# Altium PCB PCB.PcbDoc (part 1 of 11) (continued)
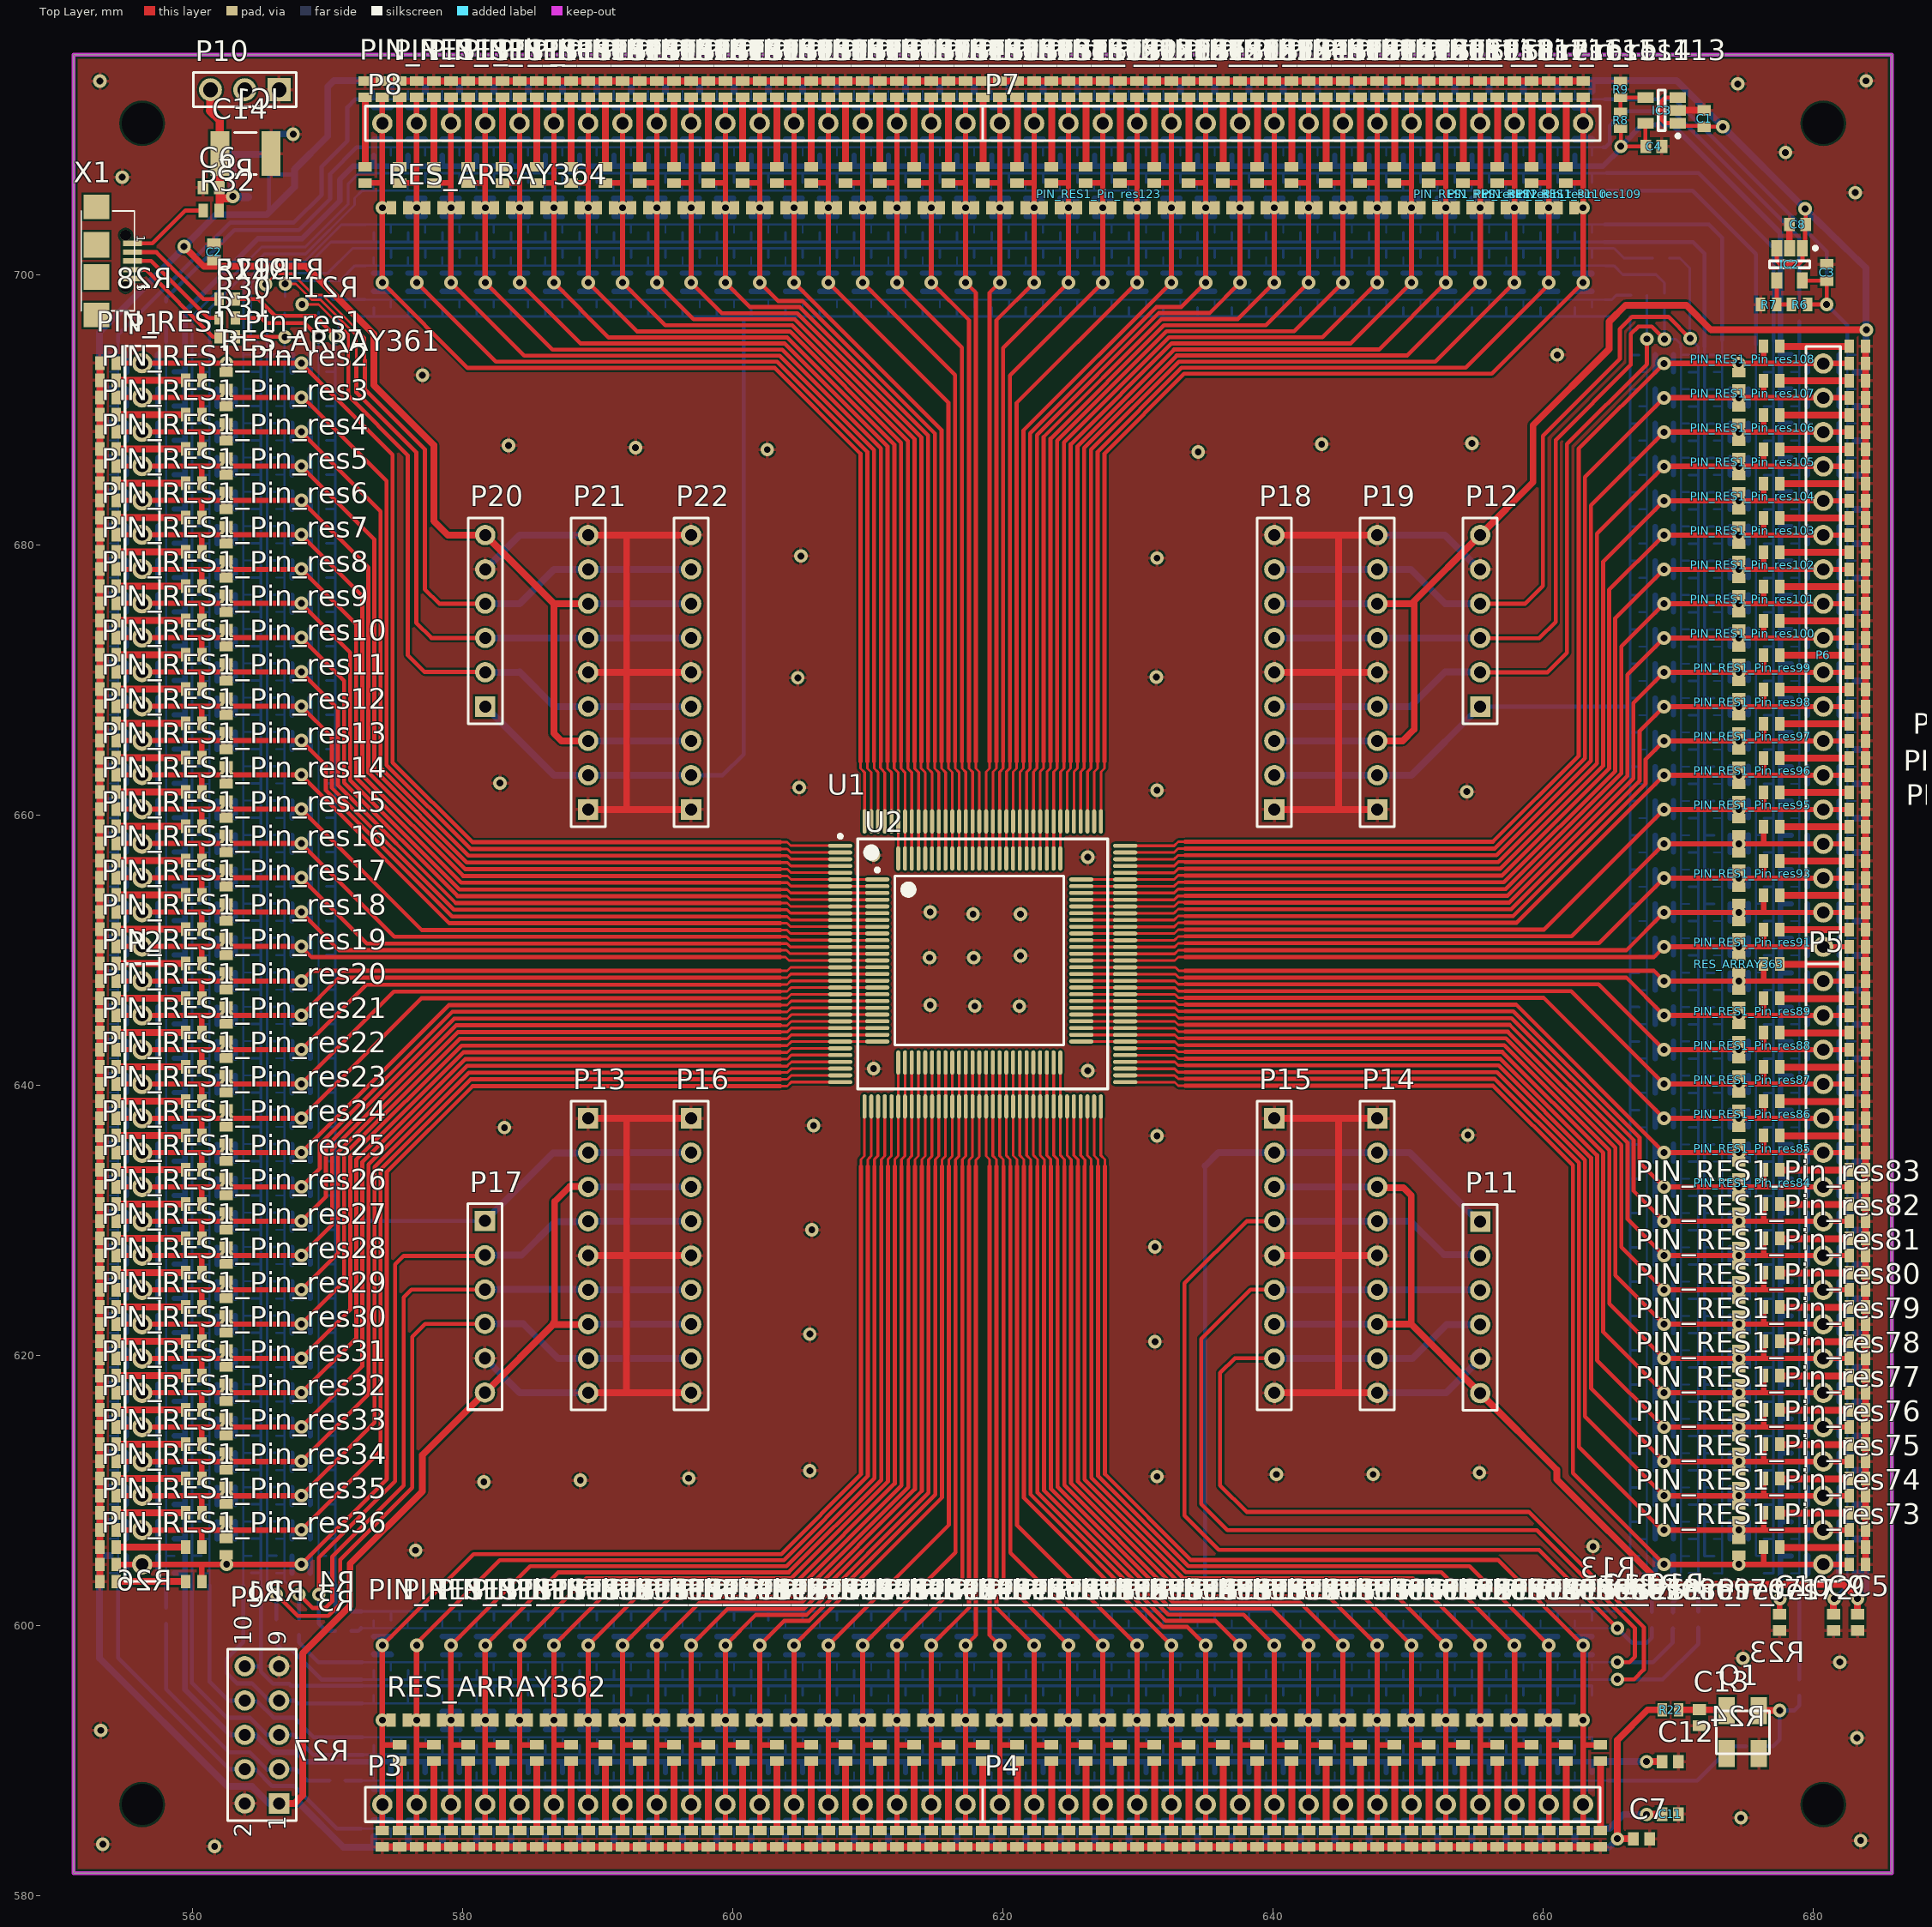
[diagram p0: Top Layer view]
## Design rules (kind name [scope] priority, off if disabled: settings) (continued)
RoomDefinition Pin_res52 [InComponentClass('Pin_res52')] p97: confinementstyle=ConfineIn formatcopy=TRUE lockcomponents=FALSE outline 0,0 50.8,0 50.8,25.4 0,25.4
RoomDefinition Pin_res51 [InComponentClass('Pin_res51')] p98: confinementstyle=ConfineIn formatcopy=TRUE lockcomponents=FALSE outline 0,0 50.8,0 50.8,25.4 0,25.4
RoomDefinition Pin_res50 [InComponentClass('Pin_res50')] p99: confinementstyle=ConfineIn formatcopy=TRUE lockcomponents=FALSE outline 0,0 50.8,0 50.8,25.4 0,25.4
RoomDefinition Pin_res49 [InComponentClass('Pin_res49')] p100: confinementstyle=ConfineIn formatcopy=TRUE lockcomponents=FALSE outline 0,0 50.8,0 50.8,25.4 0,25.4
RoomDefinition Pin_res48 [InComponentClass('Pin_res48')] p101: confinementstyle=ConfineIn formatcopy=TRUE lockcomponents=FALSE outline 0,0 50.8,0 50.8,25.4 0,25.4
RoomDefinition Pin_res47 [InComponentClass('Pin_res47')] p102: confinementstyle=ConfineIn formatcopy=TRUE lockcomponents=FALSE outline 0,0 50.8,0 50.8,25.4 0,25.4
RoomDefinition Pin_res46 [InComponentClass('Pin_res46')] p103: confinementstyle=ConfineIn formatcopy=TRUE lockcomponents=FALSE outline 0,0 50.8,0 50.8,25.4 0,25.4
RoomDefinition Pin_res45 [InComponentClass('Pin_res45')] p104: confinementstyle=ConfineIn formatcopy=TRUE lockcomponents=FALSE outline 0,0 50.8,0 50.8,25.4 0,25.4
RoomDefinition Pin_res44 [InComponentClass('Pin_res44')] p105: confinementstyle=ConfineIn formatcopy=TRUE lockcomponents=FALSE outline 0,0 50.8,0 50.8,25.4 0,25.4
RoomDefinition Pin_res43 [InComponentClass('Pin_res43')] p106: confinementstyle=ConfineIn formatcopy=TRUE lockcomponents=FALSE outline 0,0 50.8,0 50.8,25.4 0,25.4
RoomDefinition Pin_res42 [InComponentClass('Pin_res42')] p107: confinementstyle=ConfineIn formatcopy=TRUE lockcomponents=FALSE outline 0,0 50.8,0 50.8,25.4 0,25.4
RoomDefinition Pin_res41 [InComponentClass('Pin_res41')] p108: confinementstyle=ConfineIn formatcopy=TRUE lockcomponents=FALSE outline 0,0 50.8,0 50.8,25.4 0,25.4
RoomDefinition Pin_res40 [InComponentClass('Pin_res40')] p109: confinementstyle=ConfineIn formatcopy=TRUE lockcomponents=FALSE outline 0,0 50.8,0 50.8,25.4 0,25.4
RoomDefinition Pin_res39 [InComponentClass('Pin_res39')] p110: confinementstyle=ConfineIn formatcopy=TRUE lockcomponents=FALSE outline 0,0 50.8,0 50.8,25.4 0,25.4
RoomDefinition Pin_res38 [InComponentClass('Pin_res38')] p111: confinementstyle=ConfineIn formatcopy=TRUE lockcomponents=FALSE outline 0,0 50.8,0 50.8,25.4 0,25.4
RoomDefinition Pin_res37 [InComponentClass('Pin_res37')] p112: confinementstyle=ConfineIn formatcopy=TRUE lockcomponents=FALSE outline 0,0 50.8,0 50.8,25.4 0,25.4
RoomDefinition Pin_res36 [InComponentClass('Pin_res36')] p113: confinementstyle=ConfineIn formatcopy=TRUE lockcomponents=FALSE outline 0,0 50.8,0 50.8,25.4 0,25.4
RoomDefinition Pin_res35 [InComponentClass('Pin_res35')] p114: confinementstyle=ConfineIn formatcopy=TRUE lockcomponents=FALSE outline 0,0 50.8,0 50.8,25.4 0,25.4
RoomDefinition Pin_res34 [InComponentClass('Pin_res34')] p115: confinementstyle=ConfineIn formatcopy=TRUE lockcomponents=FALSE outline 0,0 50.8,0 50.8,25.4 0,25.4
RoomDefinition Pin_res33 [InComponentClass('Pin_res33')] p116: confinementstyle=ConfineIn formatcopy=TRUE lockcomponents=FALSE outline 0,0 50.8,0 50.8,25.4 0,25.4
RoomDefinition Pin_res32 [InComponentClass('Pin_res32')] p117: confinementstyle=ConfineIn formatcopy=TRUE lockcomponents=FALSE outline 0,0 50.8,0 50.8,25.4 0,25.4
RoomDefinition Pin_res31 [InComponentClass('Pin_res31')] p118: confinementstyle=ConfineIn formatcopy=TRUE lockcomponents=FALSE outline 0,0 50.8,0 50.8,25.4 0,25.4
RoomDefinition Pin_res30 [InComponentClass('Pin_res30')] p119: confinementstyle=ConfineIn formatcopy=TRUE lockcomponents=FALSE outline 0,0 50.8,0 50.8,25.4 0,25.4
RoomDefinition Pin_res29 [InComponentClass('Pin_res29')] p120: confinementstyle=ConfineIn formatcopy=TRUE lockcomponents=FALSE outline 0,0 50.8,0 50.8,25.4 0,25.4
RoomDefinition Pin_res28 [InComponentClass('Pin_res28')] p121: confinementstyle=ConfineIn formatcopy=TRUE lockcomponents=FALSE outline 0,0 50.8,0 50.8,25.4 0,25.4
RoomDefinition Pin_res27 [InComponentClass('Pin_res27')] p122: confinementstyle=ConfineIn formatcopy=TRUE lockcomponents=FALSE outline 0,0 50.8,0 50.8,25.4 0,25.4
RoomDefinition Pin_res26 [InComponentClass('Pin_res26')] p123: confinementstyle=ConfineIn formatcopy=TRUE lockcomponents=FALSE outline 0,0 50.8,0 50.8,25.4 0,25.4
RoomDefinition Pin_res25 [InComponentClass('Pin_res25')] p124: confinementstyle=ConfineIn formatcopy=TRUE lockcomponents=FALSE outline 0,0 50.8,0 50.8,25.4 0,25.4
RoomDefinition Pin_res24 [InComponentClass('Pin_res24')] p125: confinementstyle=ConfineIn formatcopy=TRUE lockcomponents=FALSE outline 0,0 50.8,0 50.8,25.4 0,25.4
RoomDefinition Pin_res23 [InComponentClass('Pin_res23')] p126: confinementstyle=ConfineIn formatcopy=TRUE lockcomponents=FALSE outline 0,0 50.8,0 50.8,25.4 0,25.4
RoomDefinition Pin_res22 [InComponentClass('Pin_res22')] p127: confinementstyle=ConfineIn formatcopy=TRUE lockcomponents=FALSE outline 0,0 50.8,0 50.8,25.4 0,25.4
RoomDefinition Pin_res21 [InComponentClass('Pin_res21')] p128: confinementstyle=ConfineIn formatcopy=TRUE lockcomponents=FALSE outline 0,0 50.8,0 50.8,25.4 0,25.4
RoomDefinition Pin_res20 [InComponentClass('Pin_res20')] p129: confinementstyle=ConfineIn formatcopy=TRUE lockcomponents=FALSE outline 0,0 50.8,0 50.8,25.4 0,25.4
RoomDefinition Pin_res19 [InComponentClass('Pin_res19')] p130: confinementstyle=ConfineIn formatcopy=TRUE lockcomponents=FALSE outline 0,0 50.8,0 50.8,25.4 0,25.4
RoomDefinition Pin_res18 [InComponentClass('Pin_res18')] p131: confinementstyle=ConfineIn formatcopy=TRUE lockcomponents=FALSE outline 0,0 50.8,0 50.8,25.4 0,25.4
RoomDefinition Pin_res17 [InComponentClass('Pin_res17')] p132: confinementstyle=ConfineIn formatcopy=TRUE lockcomponents=FALSE outline 0,0 50.8,0 50.8,25.4 0,25.4
RoomDefinition Pin_res16 [InComponentClass('Pin_res16')] p133: confinementstyle=ConfineIn formatcopy=TRUE lockcomponents=FALSE outline 0,0 50.8,0 50.8,25.4 0,25.4
RoomDefinition Pin_res15 [InComponentClass('Pin_res15')] p134: confinementstyle=ConfineIn formatcopy=TRUE lockcomponents=FALSE outline 0,0 50.8,0 50.8,25.4 0,25.4
RoomDefinition Pin_res14 [InComponentClass('Pin_res14')] p135: confinementstyle=ConfineIn formatcopy=TRUE lockcomponents=FALSE outline 0,0 50.8,0 50.8,25.4 0,25.4
RoomDefinition Pin_res13 [InComponentClass('Pin_res13')] p136: confinementstyle=ConfineIn formatcopy=TRUE lockcomponents=FALSE outline 0,0 50.8,0 50.8,25.4 0,25.4
RoomDefinition Pin_res12 [InComponentClass('Pin_res12')] p137: confinementstyle=ConfineIn formatcopy=TRUE lockcomponents=FALSE outline 0,0 50.8,0 50.8,25.4 0,25.4
RoomDefinition Pin_res11 [InComponentClass('Pin_res11')] p138: confinementstyle=ConfineIn formatcopy=TRUE lockcomponents=FALSE outline 0,0 50.8,0 50.8,25.4 0,25.4
RoomDefinition Pin_res10 [InComponentClass('Pin_res10')] p139: confinementstyle=ConfineIn formatcopy=TRUE lockcomponents=FALSE outline 0,0 50.8,0 50.8,25.4 0,25.4
RoomDefinition Pin_res9 [InComponentClass('Pin_res9')] p140: confinementstyle=ConfineIn formatcopy=TRUE lockcomponents=FALSE outline 0,0 50.8,0 50.8,25.4 0,25.4
RoomDefinition Pin_res8 [InComponentClass('Pin_res8')] p141: confinementstyle=ConfineIn formatcopy=TRUE lockcomponents=FALSE outline 0,0 50.8,0 50.8,25.4 0,25.4
RoomDefinition Pin_res7 [InComponentClass('Pin_res7')] p142: confinementstyle=ConfineIn formatcopy=TRUE lockcomponents=FALSE outline 0,0 50.8,0 50.8,25.4 0,25.4
RoomDefinition Pin_res6 [InComponentClass('Pin_res6')] p143: confinementstyle=ConfineIn formatcopy=TRUE lockcomponents=FALSE outline 0,0 50.8,0 50.8,25.4 0,25.4
RoomDefinition Pin_res5 [InComponentClass('Pin_res5')] p144: confinementstyle=ConfineIn formatcopy=TRUE lockcomponents=FALSE outline 0,0 50.8,0 50.8,25.4 0,25.4
RoomDefinition Pin_res4 [InComponentClass('Pin_res4')] p145: confinementstyle=ConfineIn formatcopy=TRUE lockcomponents=FALSE outline 0,0 50.8,0 50.8,25.4 0,25.4
RoomDefinition Pin_res3 [InComponentClass('Pin_res3')] p146: confinementstyle=ConfineIn formatcopy=TRUE lockcomponents=FALSE outline 0,0 50.8,0 50.8,25.4 0,25.4
RoomDefinition Pin_res2 [InComponentClass('Pin_res2')] p147: confinementstyle=ConfineIn formatcopy=TRUE lockcomponents=FALSE outline 0,0 50.8,0 50.8,25.4 0,25.4
RoomDefinition Pin_res1 [InComponentClass('Pin_res1')] p148: confinementstyle=ConfineIn formatcopy=TRUE lockcomponents=FALSE outline 0,0 50.8,0 50.8,25.4 0,25.4
RoutingVias [All] p1: holewidth=0.3 width=1 viastyle="Through Hole" minholewidth=0.3 minwidth=0.6 maxholewidth=0.711 maxwidth=1.27
SilkscreenOverComponentPads [All] p1: minsilkscreentomaskgap=0.254
SolderMaskExpansion [All] p1: expansion=0.102
Width [All] p1: maxlimit=1 minlimit=0.15 preferedwidth=0.2
26 further rules are at their usual default settings.

## Classes and differential pairs
component class U_fpga100: U2
component class U_connectors: P9 P11 P12 P13 P14 P15 P16 P17 P18 P19 P20 P21 P22 RES_ARRAY361 RES_ARRAY362 RES_ARRAY363 RES_ARRAY364
component class Pin_res144: PIN_RES1_Pin_res144
component class Pin_res143: PIN_RES1_Pin_res143
component class Pin_res142: PIN_RES1_Pin_res142
component class Pin_res141: PIN_RES1_Pin_res141
component class Pin_res140: PIN_RES1_Pin_res140
component class Pin_res139: PIN_RES1_Pin_res139
component class Pin_res138: PIN_RES1_Pin_res138
component class Pin_res137: PIN_RES1_Pin_res137
component class Pin_res136: PIN_RES1_Pin_res136
component class Pin_res135: PIN_RES1_Pin_res135
component class Pin_res134: PIN_RES1_Pin_res134
component class Pin_res133: PIN_RES1_Pin_res133
component class Pin_res132: PIN_RES1_Pin_res132
component class Pin_res131: PIN_RES1_Pin_res131
component class Pin_res130: PIN_RES1_Pin_res130
component class Pin_res129: PIN_RES1_Pin_res129
component class Pin_res128: PIN_RES1_Pin_res128
component class Pin_res127: PIN_RES1_Pin_res127
component class Pin_res126: PIN_RES1_Pin_res126
component class Pin_res125: PIN_RES1_Pin_res125
component class Pin_res124: PIN_RES1_Pin_res124
component class Pin_res123: PIN_RES1_Pin_res123
component class Pin_res122: PIN_RES1_Pin_res122
component class Pin_res121: PIN_RES1_Pin_res121
component class Pin_res120: PIN_RES1_Pin_res120
component class Pin_res119: PIN_RES1_Pin_res119
component class Pin_res118: PIN_RES1_Pin_res118
component class Pin_res117: PIN_RES1_Pin_res117
component class Pin_res116: PIN_RES1_Pin_res116
component class Pin_res115: PIN_RES1_Pin_res115
component class Pin_res114: PIN_RES1_Pin_res114
component class Pin_res113: PIN_RES1_Pin_res113
component class Pin_res112: PIN_RES1_Pin_res112
component class Pin_res111: PIN_RES1_Pin_res111
component class Pin_res110: PIN_RES1_Pin_res110
component class Pin_res109: PIN_RES1_Pin_res109
component class Pin_res108: PIN_RES1_Pin_res108
component class Pin_res107: PIN_RES1_Pin_res107
component class Pin_res106: PIN_RES1_Pin_res106
component class Pin_res105: PIN_RES1_Pin_res105
component class Pin_res104: PIN_RES1_Pin_res104
component class Pin_res103: PIN_RES1_Pin_res103
component class Pin_res102: PIN_RES1_Pin_res102
component class Pin_res101: PIN_RES1_Pin_res101
component class Pin_res100: PIN_RES1_Pin_res100
component class Pin_res99: PIN_RES1_Pin_res99
component class Pin_res98: PIN_RES1_Pin_res98
component class Pin_res97: PIN_RES1_Pin_res97
component class Pin_res96: PIN_RES1_Pin_res96
component class Pin_res95: PIN_RES1_Pin_res95
component class Pin_res94: PIN_RES1_Pin_res94
component class Pin_res93: PIN_RES1_Pin_res93
component class Pin_res92: PIN_RES1_Pin_res92
component class Pin_res91: PIN_RES1_Pin_res91
component class Pin_res90: PIN_RES1_Pin_res90
component class Pin_res89: PIN_RES1_Pin_res89
component class Pin_res88: PIN_RES1_Pin_res88
component class Pin_res87: PIN_RES1_Pin_res87
component class Pin_res86: PIN_RES1_Pin_res86
component class Pin_res85: PIN_RES1_Pin_res85
component class Pin_res84: PIN_RES1_Pin_res84
component class Pin_res83: PIN_RES1_Pin_res83
component class Pin_res82: PIN_RES1_Pin_res82
component class Pin_res81: PIN_RES1_Pin_res81
component class Pin_res80: PIN_RES1_Pin_res80
component class Pin_res79: PIN_RES1_Pin_res79
component class Pin_res78: PIN_RES1_Pin_res78
component class Pin_res77: PIN_RES1_Pin_res77
component class Pin_res76: PIN_RES1_Pin_res76
component class Pin_res75: PIN_RES1_Pin_res75
component class Pin_res74: PIN_RES1_Pin_res74
component class Pin_res73: PIN_RES1_Pin_res73
component class Pin_res72: PIN_RES1_Pin_res72
component class Pin_res71: PIN_RES1_Pin_res71
component class Pin_res70: PIN_RES1_Pin_res70
component class Pin_res69: PIN_RES1_Pin_res69
component class Pin_res68: PIN_RES1_Pin_res68
component class Pin_res67: PIN_RES1_Pin_res67
component class Pin_res66: PIN_RES1_Pin_res66
component class Pin_res65: PIN_RES1_Pin_res65
component class Pin_res64: PIN_RES1_Pin_res64
component class Pin_res63: PIN_RES1_Pin_res63
component class Pin_res62: PIN_RES1_Pin_res62
component class Pin_res61: PIN_RES1_Pin_res61
component class Pin_res60: PIN_RES1_Pin_res60
component class Pin_res59: PIN_RES1_Pin_res59
component class Pin_res58: PIN_RES1_Pin_res58
component class Pin_res57: PIN_RES1_Pin_res57
component class Pin_res56: PIN_RES1_Pin_res56
component class Pin_res55: PIN_RES1_Pin_res55
component class Pin_res54: PIN_RES1_Pin_res54
component class Pin_res53: PIN_RES1_Pin_res53
component class Pin_res52: PIN_RES1_Pin_res52
component class Pin_res51: PIN_RES1_Pin_res51
component class Pin_res50: PIN_RES1_Pin_res50
component class Pin_res49: PIN_RES1_Pin_res49
component class Pin_res48: PIN_RES1_Pin_res48
component class Pin_res47: PIN_RES1_Pin_res47
component class Pin_res46: PIN_RES1_Pin_res46
component class Pin_res45: PIN_RES1_Pin_res45
component class Pin_res44: PIN_RES1_Pin_res44
component class Pin_res43: PIN_RES1_Pin_res43
component class Pin_res42: PIN_RES1_Pin_res42
component class Pin_res41: PIN_RES1_Pin_res41
component class Pin_res40: PIN_RES1_Pin_res40
component class Pin_res39: PIN_RES1_Pin_res39
component class Pin_res38: PIN_RES1_Pin_res38
component class Pin_res37: PIN_RES1_Pin_res37
component class Pin_res36: PIN_RES1_Pin_res36
component class Pin_res35: PIN_RES1_Pin_res35
component class Pin_res34: PIN_RES1_Pin_res34
component class Pin_res33: PIN_RES1_Pin_res33
component class Pin_res32: PIN_RES1_Pin_res32
component class Pin_res31: PIN_RES1_Pin_res31
component class Pin_res30: PIN_RES1_Pin_res30
component class Pin_res29: PIN_RES1_Pin_res29
component class Pin_res28: PIN_RES1_Pin_res28
component class Pin_res27: PIN_RES1_Pin_res27
component class Pin_res26: PIN_RES1_Pin_res26
component class Pin_res25: PIN_RES1_Pin_res25
component class Pin_res24: PIN_RES1_Pin_res24
component class Pin_res23: PIN_RES1_Pin_res23
component class Pin_res22: PIN_RES1_Pin_res22
component class Pin_res21: PIN_RES1_Pin_res21
component class Pin_res20: PIN_RES1_Pin_res20
component class Pin_res19: PIN_RES1_Pin_res19
component class Pin_res18: PIN_RES1_Pin_res18
component class Pin_res17: PIN_RES1_Pin_res17
component class Pin_res16: PIN_RES1_Pin_res16
component class Pin_res15: PIN_RES1_Pin_res15
component class Pin_res14: PIN_RES1_Pin_res14
component class Pin_res13: PIN_RES1_Pin_res13
component class Pin_res12: PIN_RES1_Pin_res12
component class Pin_res11: PIN_RES1_Pin_res11
component class Pin_res10: PIN_RES1_Pin_res10
component class Pin_res9: PIN_RES1_Pin_res9
component class Pin_res8: PIN_RES1_Pin_res8
component class Pin_res7: PIN_RES1_Pin_res7
component class Pin_res6: PIN_RES1_Pin_res6
component class Pin_res5: PIN_RES1_Pin_res5
component class Pin_res4: PIN_RES1_Pin_res4
component class Pin_res3: PIN_RES1_Pin_res3
channel class pin_components: Pin_res1 Pin_res2
net class P[1..144]: P1 P2 P3 P4 P5 P6 P7 P8 P9 P10 P11 P12 P13 P14 P15 P16 P17 P18 P19 P20 P21 P22 P23 P24 P25 P26 P27 P28 P29 P30 P31 P32 P33 P34 P35 P36 P37 P38 P39 P40 P41 P42 P43 P44 P45 P46 P47 P48 P49 P50 P51 P52 P53 P54 P55 P56 P57 P58 P59 P60 P61 P62 P63 P64 P65 P66 P67 P68 P69 P70 P71 P72 P73 P74 P75 P76 P77 P78 P79 P80 P81 P82 P83 P84 P85 P86 P87 P88 P89 P90 P91 P92 P93 P94 P95 P96 P97 P98 P99 P100 P101 P102 P103 P104 P105 P106 P107 P108 P109 P110 P111 P112 P113 P114 P115 P116 P117 P118 P119 P120 P121 P122 P123 P124 P125 P126 P127 P128 P129 P130 P131 P132 P133 P134 P135 P136 P137 P138 P139 P140 P141 P142 P143 P144
component class Pin_res2: PIN_RES1_Pin_res2
component class Pin_res1: PIN_RES1_Pin_res1
component class schematic1: U1

## Components (designator, comment, footprint, x,y, rotation, side; value= is the part's Value field where it differs from the comment)
C1 "CAP-NP" CAPC1608N 671.906,711.556 r90 top
C2 "CAP-NP" CAPC1608N 561.569,701.675 r90 top
C3 "CAP-NP" CAPC1608N 680.974,700.151 r90 top
C4 "CAP-NP" CAPC1608N 668.172,709.498 r180 top
C5 "CAP-NP" CAPC1608N 683.26,600.227 r270 top
C6 "CAP-NP" CAPC1608N 561.365,706.45 r0 top
C7 "CAP-NP" CAPC1608N 667.258,584.2 r0 top
C8 "CAP-NP" CAPC1608N 678.815,703.707 r180 top
C9 "CAP-NP" CAPC1608N 681.482,600.227 r270 top
C10 "CAP-NP" CAPC1608N 677.494,600.227 r90 top
C11 "CAP-NP" CAPC1608N 669.392,586.029 r0 top
C12 "CAP-NP" CAPC1608N 669.392,589.915 r180 top
C13 "CAP-NP" CAPC1608N 671.551,593.166 r270 top
C14 "*uF" CAPC4532L 563.905,708.965 r0 top
IC1 "SOT89 voltage regulator" SOT89-3 563.855,708.914 r180 bottom
IC2 "XC6204" SOT23-5-7Z 678.231,700.761 r270 top
IC3 "XC6204" SOT23-5-7Z 668.757,712.165 r180 top
P1 "Header 18" HDR1X18 556.26,693.445 r270 top locked
P2 "Header 18" HDR1X18 556.26,647.7 r270 top locked
P3 "Header 18" HDR1X18 574.04,586.74 r0 top locked
P4 "Header 18" HDR1X18 619.76,586.74 r0 top locked
P5 "Header 18" HDR1X18 680.72,604.52 r90 top locked
P6 "Header 18" HDR1X18 680.72,650.24 r90 top locked
P7 "Header 18" HDR1X18 662.94,711.2 r180 top locked
P8 "Header 18" HDR1X18 617.22,711.2 r180 top locked
P9 "Header 5X2" HDR2X5 566.395,586.816 r90 top
P10 "Header 3" HDR1X3 566.395,713.689 r180 top
P11 "Header 6" HDR1X6 655.32,629.895 r270 top locked
P12 "Header 6" HDR1X6 655.32,668.02 r90 top locked
P13 "Header 9" HDR1X9 589.28,637.54 r270 top locked
P14 "Header 9" HDR1X9 647.7,637.54 r270 top locked
P15 "Header 9" HDR1X9 640.08,637.54 r270 top locked
P16 "Header 9" HDR1X9 596.9,637.54 r270 top locked
P17 "Header 6" HDR1X6 581.635,629.945 r270 top locked
P18 "Header 9" HDR1X9 640.08,660.4 r90 top locked
P19 "Header 9" HDR1X9 647.7,660.4 r90 top locked
P20 "Header 6" HDR1X6 581.66,668.02 r90 top locked
P21 "Header 9" HDR1X9 589.28,660.4 r90 top locked
P22 "Header 9" HDR1X9 596.9,660.4 r90 top locked
PIN_RES1_Pin_res1 "PIN_RES" PIN_RES 556.26,693.445 r0 top (schematic designator PIN_RES1)
PIN_RES1_Pin_res2 "PIN_RES" PIN_RES 556.26,690.905 r0 top (schematic designator PIN_RES1)
PIN_RES1_Pin_res3 "PIN_RES" PIN_RES 556.26,688.365 r0 top (schematic designator PIN_RES1)
PIN_RES1_Pin_res4 "PIN_RES" PIN_RES 556.26,685.825 r0 top (schematic designator PIN_RES1)
PIN_RES1_Pin_res5 "PIN_RES" PIN_RES 556.26,683.285 r0 top (schematic designator PIN_RES1)
PIN_RES1_Pin_res6 "PIN_RES" PIN_RES 556.26,680.745 r0 top (schematic designator PIN_RES1)
PIN_RES1_Pin_res7 "PIN_RES" PIN_RES 556.26,678.205 r0 top (schematic designator PIN_RES1)
PIN_RES1_Pin_res8 "PIN_RES" PIN_RES 556.26,675.665 r0 top (schematic designator PIN_RES1)
PIN_RES1_Pin_res9 "PIN_RES" PIN_RES 556.26,673.125 r0 top (schematic designator PIN_RES1)
PIN_RES1_Pin_res10 "PIN_RES" PIN_RES 556.26,670.585 r0 top (schematic designator PIN_RES1)
PIN_RES1_Pin_res11 "PIN_RES" PIN_RES 556.26,668.045 r0 top (schematic designator PIN_RES1)
PIN_RES1_Pin_res12 "PIN_RES" PIN_RES 556.26,665.505 r0 top (schematic designator PIN_RES1)
PIN_RES1_Pin_res13 "PIN_RES" PIN_RES 556.26,662.965 r0 top (schematic designator PIN_RES1)
PIN_RES1_Pin_res14 "PIN_RES" PIN_RES 556.26,660.425 r0 top (schematic designator PIN_RES1)
PIN_RES1_Pin_res15 "PIN_RES" PIN_RES 556.26,657.885 r0 top (schematic designator PIN_RES1)
PIN_RES1_Pin_res16 "PIN_RES" PIN_RES 556.26,655.345 r0 top (schematic designator PIN_RES1)
PIN_RES1_Pin_res17 "PIN_RES" PIN_RES 556.26,652.805 r0 top (schematic designator PIN_RES1)
PIN_RES1_Pin_res18 "PIN_RES" PIN_RES 556.26,650.265 r0 top (schematic designator PIN_RES1)
PIN_RES1_Pin_res19 "PIN_RES" PIN_RES 556.26,647.7 r0 top (schematic designator PIN_RES1)
PIN_RES1_Pin_res20 "PIN_RES" PIN_RES 556.26,645.16 r0 top (schematic designator PIN_RES1)
PIN_RES1_Pin_res21 "PIN_RES" PIN_RES 556.26,642.62 r0 top (schematic designator PIN_RES1)
PIN_RES1_Pin_res22 "PIN_RES" PIN_RES 556.26,640.08 r0 top (schematic designator PIN_RES1)
PIN_RES1_Pin_res23 "PIN_RES" PIN_RES 556.26,637.54 r0 top (schematic designator PIN_RES1)
PIN_RES1_Pin_res24 "PIN_RES" PIN_RES 556.26,635 r0 top (schematic designator PIN_RES1)
PIN_RES1_Pin_res25 "PIN_RES" PIN_RES 556.26,632.46 r0 top (schematic designator PIN_RES1)
PIN_RES1_Pin_res26 "PIN_RES" PIN_RES 556.26,629.92 r0 top (schematic designator PIN_RES1)
PIN_RES1_Pin_res27 "PIN_RES" PIN_RES 556.26,627.38 r0 top (schematic designator PIN_RES1)
PIN_RES1_Pin_res28 "PIN_RES" PIN_RES 556.26,624.84 r0 top (schematic designator PIN_RES1)
PIN_RES1_Pin_res29 "PIN_RES" PIN_RES 556.26,622.3 r0 top (schematic designator PIN_RES1)
PIN_RES1_Pin_res30 "PIN_RES" PIN_RES 556.26,619.76 r0 top (schematic designator PIN_RES1)
PIN_RES1_Pin_res31 "PIN_RES" PIN_RES 556.26,617.22 r0 top (schematic designator PIN_RES1)
PIN_RES1_Pin_res32 "PIN_RES" PIN_RES 556.26,614.68 r0 top (schematic designator PIN_RES1)
PIN_RES1_Pin_res33 "PIN_RES" PIN_RES 556.26,612.14 r0 top (schematic designator PIN_RES1)
PIN_RES1_Pin_res34 "PIN_RES" PIN_RES 556.26,609.6 r0 top (schematic designator PIN_RES1)
PIN_RES1_Pin_res35 "PIN_RES" PIN_RES 556.26,607.06 r0 top (schematic designator PIN_RES1)
PIN_RES1_Pin_res36 "PIN_RES" PIN_RES 556.26,604.52 r0 top (schematic designator PIN_RES1)
PIN_RES1_Pin_res37 "PIN_RES" PIN_RES 574.04,586.74 r90 top (schematic designator PIN_RES1)
PIN_RES1_Pin_res38 "PIN_RES" PIN_RES 576.58,586.74 r90 top (schematic designator PIN_RES1)
PIN_RES1_Pin_res39 "PIN_RES" PIN_RES 579.12,586.74 r90 top (schematic designator PIN_RES1)
PIN_RES1_Pin_res40 "PIN_RES" PIN_RES 581.66,586.74 r90 top (schematic designator PIN_RES1)
PIN_RES1_Pin_res41 "PIN_RES" PIN_RES 584.2,586.74 r90 top (schematic designator PIN_RES1)
PIN_RES1_Pin_res42 "PIN_RES" PIN_RES 586.74,586.74 r90 top (schematic designator PIN_RES1)
PIN_RES1_Pin_res43 "PIN_RES" PIN_RES 589.28,586.74 r90 top (schematic designator PIN_RES1)
PIN_RES1_Pin_res44 "PIN_RES" PIN_RES 591.82,586.74 r90 top (schematic designator PIN_RES1)
PIN_RES1_Pin_res45 "PIN_RES" PIN_RES 594.36,586.74 r90 top (schematic designator PIN_RES1)
PIN_RES1_Pin_res46 "PIN_RES" PIN_RES 596.9,586.74 r90 top (schematic designator PIN_RES1)
PIN_RES1_Pin_res47 "PIN_RES" PIN_RES 599.44,586.74 r90 top (schematic designator PIN_RES1)
PIN_RES1_Pin_res48 "PIN_RES" PIN_RES 601.98,586.74 r90 top (schematic designator PIN_RES1)
PIN_RES1_Pin_res49 "PIN_RES" PIN_RES 604.52,586.74 r90 top (schematic designator PIN_RES1)
PIN_RES1_Pin_res50 "PIN_RES" PIN_RES 607.06,586.74 r90 top (schematic designator PIN_RES1)
PIN_RES1_Pin_res51 "PIN_RES" PIN_RES 609.6,586.74 r90 top (schematic designator PIN_RES1)
PIN_RES1_Pin_res52 "PIN_RES" PIN_RES 612.14,586.74 r90 top (schematic designator PIN_RES1)
PIN_RES1_Pin_res53 "PIN_RES" PIN_RES 614.68,586.74 r90 top (schematic designator PIN_RES1)
PIN_RES1_Pin_res54 "PIN_RES" PIN_RES 617.22,586.74 r90 top (schematic designator PIN_RES1)
PIN_RES1_Pin_res55 "PIN_RES" PIN_RES 619.76,586.74 r90 top (schematic designator PIN_RES1)
PIN_RES1_Pin_res56 "PIN_RES" PIN_RES 622.3,586.74 r90 top (schematic designator PIN_RES1)
PIN_RES1_Pin_res57 "PIN_RES" PIN_RES 624.84,586.74 r90 top (schematic designator PIN_RES1)
PIN_RES1_Pin_res58 "PIN_RES" PIN_RES 627.38,586.74 r90 top (schematic designator PIN_RES1)
PIN_RES1_Pin_res59 "PIN_RES" PIN_RES 629.92,586.74 r90 top (schematic designator PIN_RES1)
PIN_RES1_Pin_res60 "PIN_RES" PIN_RES 632.46,586.74 r90 top (schematic designator PIN_RES1)
PIN_RES1_Pin_res61 "PIN_RES" PIN_RES 635,586.74 r90 top (schematic designator PIN_RES1)
PIN_RES1_Pin_res62 "PIN_RES" PIN_RES 637.54,586.74 r90 top (schematic designator PIN_RES1)
PIN_RES1_Pin_res63 "PIN_RES" PIN_RES 640.08,586.74 r90 top (schematic designator PIN_RES1)
PIN_RES1_Pin_res64 "PIN_RES" PIN_RES 642.62,586.74 r90 top (schematic designator PIN_RES1)
PIN_RES1_Pin_res65 "PIN_RES" PIN_RES 645.16,586.74 r90 top (schematic designator PIN_RES1)
PIN_RES1_Pin_res66 "PIN_RES" PIN_RES 647.7,586.74 r90 top (schematic designator PIN_RES1)
PIN_RES1_Pin_res67 "PIN_RES" PIN_RES 650.24,586.74 r90 top (schematic designator PIN_RES1)
PIN_RES1_Pin_res68 "PIN_RES" PIN_RES 652.78,586.74 r90 top (schematic designator PIN_RES1)
PIN_RES1_Pin_res69 "PIN_RES" PIN_RES 655.32,586.74 r90 top (schematic designator PIN_RES1)
PIN_RES1_Pin_res70 "PIN_RES" PIN_RES 657.86,586.74 r90 top (schematic designator PIN_RES1)
PIN_RES1_Pin_res71 "PIN_RES" PIN_RES 660.4,586.74 r90 top (schematic designator PIN_RES1)
PIN_RES1_Pin_res72 "PIN_RES" PIN_RES 662.94,586.74 r90 top (schematic designator PIN_RES1)
PIN_RES1_Pin_res73 "PIN_RES" PIN_RES 680.72,604.52 r180 top (schematic designator PIN_RES1)
PIN_RES1_Pin_res74 "PIN_RES" PIN_RES 680.72,607.06 r180 top (schematic designator PIN_RES1)
PIN_RES1_Pin_res75 "PIN_RES" PIN_RES 680.72,609.6 r180 top (schematic designator PIN_RES1)
PIN_RES1_Pin_res76 "PIN_RES" PIN_RES 680.72,612.14 r180 top (schematic designator PIN_RES1)
PIN_RES1_Pin_res77 "PIN_RES" PIN_RES 680.72,614.68 r180 top (schematic designator PIN_RES1)
PIN_RES1_Pin_res78 "PIN_RES" PIN_RES 680.72,617.22 r180 top (schematic designator PIN_RES1)
PIN_RES1_Pin_res79 "PIN_RES" PIN_RES 680.72,619.76 r180 top (schematic designator PIN_RES1)
PIN_RES1_Pin_res80 "PIN_RES" PIN_RES 680.72,622.3 r180 top (schematic designator PIN_RES1)
PIN_RES1_Pin_res81 "PIN_RES" PIN_RES 680.72,624.84 r180 top (schematic designator PIN_RES1)
PIN_RES1_Pin_res82 "PIN_RES" PIN_RES 680.72,627.38 r180 top (schematic designator PIN_RES1)
PIN_RES1_Pin_res83 "PIN_RES" PIN_RES 680.72,629.92 r180 top (schematic designator PIN_RES1)
PIN_RES1_Pin_res84 "PIN_RES" PIN_RES 680.72,632.46 r180 top (schematic designator PIN_RES1)
PIN_RES1_Pin_res85 "PIN_RES" PIN_RES 680.72,635 r180 top (schematic designator PIN_RES1)
PIN_RES1_Pin_res86 "PIN_RES" PIN_RES 680.72,637.54 r180 top (schematic designator PIN_RES1)
PIN_RES1_Pin_res87 "PIN_RES" PIN_RES 680.72,640.08 r180 top (schematic designator PIN_RES1)
PIN_RES1_Pin_res88 "PIN_RES" PIN_RES 680.72,642.62 r180 top (schematic designator PIN_RES1)
PIN_RES1_Pin_res89 "PIN_RES" PIN_RES 680.72,645.16 r180 top (schematic designator PIN_RES1)
PIN_RES1_Pin_res90 "PIN_RES" PIN_RES 680.72,647.7 r180 top (schematic designator PIN_RES1)
PIN_RES1_Pin_res91 "PIN_RES" PIN_RES 680.72,650.24 r180 top (schematic designator PIN_RES1)
PIN_RES1_Pin_res92 "PIN_RES" PIN_RES 680.72,652.78 r180 top (schematic designator PIN_RES1)
PIN_RES1_Pin_res93 "PIN_RES" PIN_RES 680.72,655.32 r180 top (schematic designator PIN_RES1)
PIN_RES1_Pin_res94 "PIN_RES" PIN_RES 680.72,657.86 r180 top (schematic designator PIN_RES1)
PIN_RES1_Pin_res95 "PIN_RES" PIN_RES 680.72,660.4 r180 top (schematic designator PIN_RES1)
PIN_RES1_Pin_res96 "PIN_RES" PIN_RES 680.72,662.94 r180 top (schematic designator PIN_RES1)
PIN_RES1_Pin_res97 "PIN_RES" PIN_RES 680.72,665.48 r180 top (schematic designator PIN_RES1)
PIN_RES1_Pin_res98 "PIN_RES" PIN_RES 680.72,668.02 r180 top (schematic designator PIN_RES1)
PIN_RES1_Pin_res99 "PIN_RES" PIN_RES 680.72,670.56 r180 top (schematic designator PIN_RES1)
PIN_RES1_Pin_res100 "PIN_RES" PIN_RES 680.72,673.1 r180 top (schematic designator PIN_RES1)
PIN_RES1_Pin_res101 "PIN_RES" PIN_RES 680.72,675.64 r180 top (schematic designator PIN_RES1)
PIN_RES1_Pin_res102 "PIN_RES" PIN_RES 680.72,678.18 r180 top (schematic designator PIN_RES1)
PIN_RES1_Pin_res103 "PIN_RES" PIN_RES 680.72,680.72 r180 top (schematic designator PIN_RES1)
PIN_RES1_Pin_res104 "PIN_RES" PIN_RES 680.72,683.26 r180 top (schematic designator PIN_RES1)
PIN_RES1_Pin_res105 "PIN_RES" PIN_RES 680.72,685.8 r180 top (schematic designator PIN_RES1)
PIN_RES1_Pin_res106 "PIN_RES" PIN_RES 680.72,688.34 r180 top (schematic designator PIN_RES1)
PIN_RES1_Pin_res107 "PIN_RES" PIN_RES 680.72,690.88 r180 top (schematic designator PIN_RES1)
PIN_RES1_Pin_res108 "PIN_RES" PIN_RES 680.72,693.42 r180 top (schematic designator PIN_RES1)
PIN_RES1_Pin_res109 "PIN_RES" PIN_RES 662.94,711.2 r270 top (schematic designator PIN_RES1)
PIN_RES1_Pin_res110 "PIN_RES" PIN_RES 660.4,711.2 r270 top (schematic designator PIN_RES1)
PIN_RES1_Pin_res111 "PIN_RES" PIN_RES 657.86,711.2 r270 top (schematic designator PIN_RES1)
PIN_RES1_Pin_res112 "PIN_RES" PIN_RES 655.32,711.2 r270 top (schematic designator PIN_RES1)
PIN_RES1_Pin_res113 "PIN_RES" PIN_RES 652.78,711.2 r270 top (schematic designator PIN_RES1)
PIN_RES1_Pin_res114 "PIN_RES" PIN_RES 650.24,711.2 r270 top (schematic designator PIN_RES1)
PIN_RES1_Pin_res115 "PIN_RES" PIN_RES 647.7,711.2 r270 top (schematic designator PIN_RES1)
PIN_RES1_Pin_res116 "PIN_RES" PIN_RES 645.16,711.2 r270 top (schematic designator PIN_RES1)
PIN_RES1_Pin_res117 "PIN_RES" PIN_RES 642.62,711.2 r270 top (schematic designator PIN_RES1)
PIN_RES1_Pin_res118 "PIN_RES" PIN_RES 640.08,711.2 r270 top (schematic designator PIN_RES1)
PIN_RES1_Pin_res119 "PIN_RES" PIN_RES 637.54,711.2 r270 top (schematic designator PIN_RES1)
PIN_RES1_Pin_res120 "PIN_RES" PIN_RES 635,711.2 r270 top (schematic designator PIN_RES1)
PIN_RES1_Pin_res121 "PIN_RES" PIN_RES 632.46,711.2 r270 top (schematic designator PIN_RES1)
PIN_RES1_Pin_res122 "PIN_RES" PIN_RES 629.92,711.2 r270 top (schematic designator PIN_RES1)
PIN_RES1_Pin_res123 "PIN_RES" PIN_RES 627.38,711.2 r270 top (schematic designator PIN_RES1)
PIN_RES1_Pin_res124 "PIN_RES" PIN_RES 624.84,711.2 r270 top (schematic designator PIN_RES1)
PIN_RES1_Pin_res125 "PIN_RES" PIN_RES 622.3,711.2 r270 top (schematic designator PIN_RES1)
PIN_RES1_Pin_res126 "PIN_RES" PIN_RES 619.76,711.2 r270 top (schematic designator PIN_RES1)
PIN_RES1_Pin_res127 "PIN_RES" PIN_RES 617.22,711.2 r270 top (schematic designator PIN_RES1)
PIN_RES1_Pin_res128 "PIN_RES" PIN_RES 614.68,711.2 r270 top (schematic designator PIN_RES1)
PIN_RES1_Pin_res129 "PIN_RES" PIN_RES 612.14,711.2 r270 top (schematic designator PIN_RES1)
PIN_RES1_Pin_res130 "PIN_RES" PIN_RES 609.6,711.2 r270 top (schematic designator PIN_RES1)
PIN_RES1_Pin_res131 "PIN_RES" PIN_RES 607.06,711.2 r270 top (schematic designator PIN_RES1)
PIN_RES1_Pin_res132 "PIN_RES" PIN_RES 604.52,711.2 r270 top (schematic designator PIN_RES1)
PIN_RES1_Pin_res133 "PIN_RES" PIN_RES 601.98,711.2 r270 top (schematic designator PIN_RES1)
PIN_RES1_Pin_res134 "PIN_RES" PIN_RES 599.44,711.2 r270 top (schematic designator PIN_RES1)
PIN_RES1_Pin_res135 "PIN_RES" PIN_RES 596.9,711.2 r270 top (schematic designator PIN_RES1)
PIN_RES1_Pin_res136 "PIN_RES" PIN_RES 594.36,711.2 r270 top (schematic designator PIN_RES1)
PIN_RES1_Pin_res137 "PIN_RES" PIN_RES 591.82,711.2 r270 top (schematic designator PIN_RES1)
PIN_RES1_Pin_res138 "PIN_RES" PIN_RES 589.28,711.2 r270 top (schematic designator PIN_RES1)
PIN_RES1_Pin_res139 "PIN_RES" PIN_RES 586.74,711.2 r270 top (schematic designator PIN_RES1)
PIN_RES1_Pin_res140 "PIN_RES" PIN_RES 584.2,711.2 r270 top (schematic designator PIN_RES1)
PIN_RES1_Pin_res141 "PIN_RES" PIN_RES 581.66,711.2 r270 top (schematic designator PIN_RES1)
PIN_RES1_Pin_res142 "PIN_RES" PIN_RES 579.12,711.2 r270 top (schematic designator PIN_RES1)
PIN_RES1_Pin_res143 "PIN_RES" PIN_RES 576.58,711.2 r270 top (schematic designator PIN_RES1)
PIN_RES1_Pin_res144 "PIN_RES" PIN_RES 574.04,711.2 r270 top (schematic designator PIN_RES1)
Q1 "oscillator" oscillator_5x3_2mm 673.557,590.499 r90 top
R1 "RES" RESC1609N 566.191,599.872 r270 bottom
R2 "RES" RESC1609N 567.868,599.897 r270 bottom
R3 "RES" RESC1609N 571.144,599.592 r0 bottom
R4 "RES" RESC1609N 571.17,601.04 r0 bottom
R5 "RES" RESC1609N 564.083,705.155 r270 bottom
R6 "RES" RESC1609N 678.967,697.789 r180 top
R7 "RES" RESC1609N 676.681,697.789 r180 top
R8 "RES" RESC1609N 665.709,711.429 r90 top
R9 "RES" RESC1609N 665.709,713.715 r90 top
R10 "RES" RESC1609N 671.474,600.431 r270 bottom
R11 "RES" RESC1609N 669.595,600.38 r270 bottom
R12 "RES" RESC1609N 668.02,600.405 r270 bottom
R13 "RES" RESC1609N 666.42,601.65 r270 bottom
R14 "RES" RESC1609N 668.706,701.218 r180 bottom
R15 "RES" RESC1609N 565.379,697.763 r90 bottom
R16 "RES" RESC1609N 668.96,698.017 r90 bottom
R17 "RES" RESC1609N 566.852,697.763 r90 bottom
R18 "RES" RESC1609N 667.08,698.475 r180 bottom
R19 "RES" RESC1609N 569.316,697.763 r90 bottom
R20 "RES" RESC1609N 665.81,696.9 r180 bottom
R21 "RES" RESC1609N 571.424,696.874 r0 bottom
R22 "RES" RESC1609N 669.417,593.75 r0 top
R23 "RES" RESC1609N 678.942,595.401 r90 bottom
R24 "RES" RESC1609N 675.589,591.058 r180 bottom
R25 "RES" RESC1609N 678.942,697.128 r90 bottom
R26 "RES" RESC1609N 558.038,600.71 r270 bottom